# Allegro board parallella_layout.brd (continued)
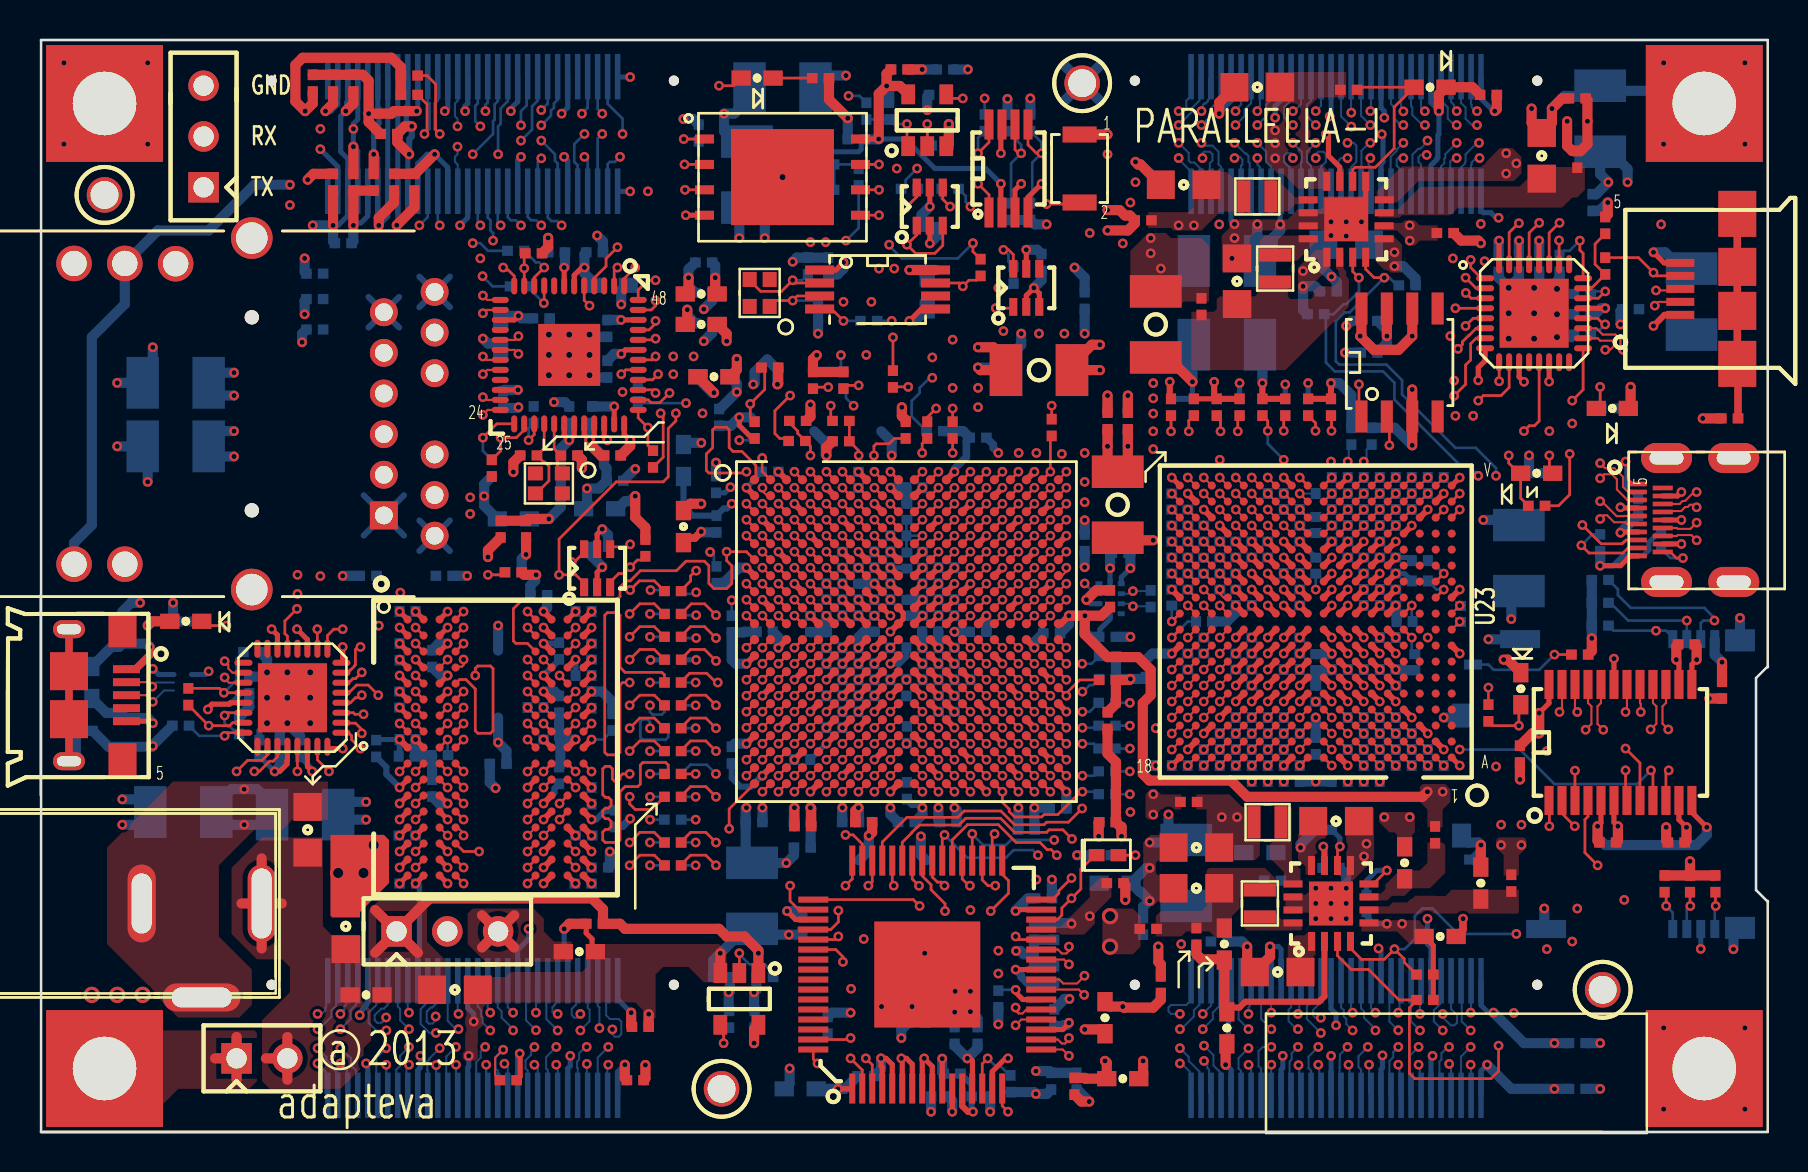
[diagram p0: board, top side]
## Footprints (pads in the part's own frame, mm; a bottom-side part is the same pattern mirrored in y, then rotated) (continued)
HDMI_MICRO19_6P5X7P5X2P9H_P4P
  rect 0.23x0.85 smd: 1(1.8,6.475) 3(1.4,6.475) 5(1,6.475) 7(0.6,6.475) 9(0.2,6.475) 11(-0.2,6.475) 13(-0.6,6.475) 15(-1,6.475) 17(-1.4,6.475) 19(-1.8,6.475)
  rect 0.23x1 smd: 2(1.6,5.25) 4(1.2,5.25) 6(0.8,5.25) 8(0.4,5.25) 10(0,5.25) 12(-0.4,5.25) 14(-0.8,5.25) 16(-1.2,5.25) 18(-1.6,5.25)
  oval 1.5x2.55 hole 0.65x1.7: GND1(3.1,1.7) GND2(-3.1,1.7) GND3(3.1,5.06) GND4(-3.1,5.06)
HDR_1X2_TH_VER
  rect 1.524x1.524 hole 1.016: 1(0,0)
  round 1.524 hole 1.016: 2(2.54,0)
HDR_1X3_TH_VER
  rect 1.524x1.524 hole 1.016: 1(0,0)
  round 1.524 hole 1.016: 2(2.54,0) 3(5.08,0)
IND2_2X2P5X1P2MMH
  rect 0.65x1.6 smd: 1(-0.675,0) 2(0.675,0)
LED_0603
  rect 0.762x0.965 smd: 1(0,0.8) 2(0,-0.8)
LQFP64_10SQX1P6MMH_P5MMP
  rect 1.5x0.3 smd: 1(-5.7,3.75) 2(-5.7,3.25) 3(-5.7,2.75) 4(-5.7,2.25) 5(-5.7,1.75) 6(-5.7,1.25) 7(-5.7,0.75) 8(-5.7,0.25) 9(-5.7,-0.25) 10(-5.7,-0.75) 11(-5.7,-1.25) 12(-5.7,-1.75) 13(-5.7,-2.25) 14(-5.7,-2.75) 15(-5.7,-3.25) 16(-5.7,-3.75) 33(5.7,-3.75) 34(5.7,-3.25) 35(5.7,-2.75) 36(5.7,-2.25) 37(5.7,-1.75) 38(5.7,-1.25) 39(5.7,-0.75) 40(5.7,-0.25) 41(5.7,0.25) 42(5.7,0.75) 43(5.7,1.25) 44(5.7,1.75) 45(5.7,2.25) 46(5.7,2.75) 47(5.7,3.25) 48(5.7,3.75)
  rect 0.3x1.5 smd: 17(-3.75,-5.7) 18(-3.25,-5.7) 19(-2.75,-5.7) 20(-2.25,-5.7) 21(-1.75,-5.7) 22(-1.25,-5.7) 23(-0.75,-5.7) 24(-0.25,-5.7) 25(0.25,-5.7) 26(0.75,-5.7) 27(1.25,-5.7) 28(1.75,-5.7) 29(2.25,-5.7) 30(2.75,-5.7) 31(3.25,-5.7) 32(3.75,-5.7) 49(3.75,5.7) 50(3.25,5.7) 51(2.75,5.7) 52(2.25,5.7) 53(1.75,5.7) 54(1.25,5.7) 55(0.75,5.7) 56(0.25,5.7) 57(-0.25,5.7) 58(-0.75,5.7) 59(-1.25,5.7) 60(-1.75,5.7) 61(-2.25,5.7) 62(-2.75,5.7) 63(-3.25,5.7) 64(-3.75,5.7)
  rect 5.3x5.3 smd: 65(0,0)
OSC4_1P6X2X7MMH
  rect 0.75x0.7 smd: 1(-0.675,-0.5) 2(0.675,-0.5) 3(0.675,0.5) 4(-0.675,0.5)
PTH125_200PAD
  rect 5.842x5.842 hole 3.175: 1(0,0)
QFN32_5SQXP9H_P5MMP_3P45PAD
  oval 0.9x0.3 smd: 1(-2.45,1.75) 2(-2.45,1.25) 3(-2.45,0.75) 4(-2.45,0.25) 5(-2.45,-0.25) 6(-2.45,-0.75) 7(-2.45,-1.25) 8(-2.45,-1.75) 17(2.45,-1.75) 18(2.45,-1.25) 19(2.45,-0.75) 20(2.45,-0.25) 21(2.45,0.25) 22(2.45,0.75) 23(2.45,1.25) 24(2.45,1.75)
  oval 0.3x0.9 smd: 9(-1.75,-2.45) 10(-1.25,-2.45) 11(-0.75,-2.45) 12(-0.25,-2.45) 13(0.25,-2.45) 14(0.75,-2.45) 15(1.25,-2.45) 16(1.75,-2.45) 25(1.75,2.45) 26(1.25,2.45) 27(0.75,2.45) 28(0.25,2.45) 29(-0.25,2.45) 30(-0.75,2.45) 31(-1.25,2.45) 32(-1.75,2.45)
  rect 3.45x3.45 smd: 33(0,0)
QFN48_7SQXP5PX1MMH_3P1PAD
  oval 0.85x0.3 smd: 1(-3.45,2.75) 2(-3.45,2.25) 3(-3.45,1.75) 4(-3.45,1.25) 5(-3.45,0.75) 6(-3.45,0.25) 7(-3.45,-0.25) 8(-3.45,-0.75) 9(-3.45,-1.25) 10(-3.45,-1.75) 11(-3.45,-2.25) 12(-3.45,-2.75) 25(3.45,-2.75) 26(3.45,-2.25) 27(3.45,-1.75) 28(3.45,-1.25) 29(3.45,-0.75) 30(3.45,-0.25) 31(3.45,0.25) 32(3.45,0.75) 33(3.45,1.25) 34(3.45,1.75) 35(3.45,2.25) 36(3.45,2.75)
  oval 0.3x0.85 smd: 13(-2.75,-3.45) 14(-2.25,-3.45) 15(-1.75,-3.45) 16(-1.25,-3.45) 17(-0.75,-3.45) 18(-0.25,-3.45) 19(0.25,-3.45) 20(0.75,-3.45) 21(1.25,-3.45) 22(1.75,-3.45) 23(2.25,-3.45) 24(2.75,-3.45) 37(2.75,3.45) 38(2.25,3.45) 39(1.75,3.45) 40(1.25,3.45) 41(0.75,3.45) 42(0.25,3.45) 43(-0.25,3.45) 44(-0.75,3.45) 45(-1.25,3.45) 46(-1.75,3.45) 47(-2.25,3.45) 48(-2.75,3.45)
  rect 3.1x3.1 smd: 49(0,0)
QFN-10_1P55X2P05XP6XP5MMP
  rect 0.25x0.35 smd: 1(-0.75,-0.56) 2(-0.25,-0.56) 3(0.25,-0.56) 4(0.75,-0.56) 6(0.75,0.56) 7(0.25,0.56) 8(-0.25,0.56) 9(-0.75,0.56)
  rect 0.35x0.25 smd: 5(0.81,0) 10(-0.81,0)
R0402
  rect 0.508x0.533 smd: 1(0,0.419) 2(0,-0.419)
R0402#2
  rect 0.5x0.55 smd: 1(-0.4,0) 2(0.4,0)
R0603
  rect 0.762x0.965 smd: 1(0,0.8) 2(0,-0.8)
RJ45_17PINS_2LED
  round 0.711 hole 3.251 unplated: (0.254,6.604) (9.906,6.604)
  rect 1.397x1.397 hole 0.889: 1(0,0)
  round 1.397 hole 0.889: 2(2.032,0) 3(4.064,0) 4(6.096,0) 5(8.128,0) 6(10.16,0) 7(-1.016,-2.54) 8(1.016,-2.54) 9(3.048,-2.54) 10(7.112,-2.54) 11(9.144,-2.54) 12(11.176,-2.54)
  round 1.778 hole 1.27: 13(-2.438,12.954) 14(-2.438,15.494) 15(12.586,10.414) 16(12.598,12.954) 17(12.598,15.494)
  round 2.083 hole 1.575: GND1(13.868,6.604) GND2(-3.708,6.604)
SC_70_6PSMT
  rect 0.406x0.889 smd: 1(-0.65,-0.953) 2(0,-0.953) 3(0.65,-0.953) 4(0.65,0.953) 5(0,0.953) 6(-0.65,0.953)
SDMICRO_8PIN_REV_15SQX1P51MMH
  rect 0.9x0.45 smd: 1(-7.25,-10.235) 2(-7.25,-10.935) 3(-7.25,-11.635) 4(-7.25,-12.335) 5(7.25,-12.335) 6(7.25,-11.635) 7(7.25,-10.935) 8(7.25,-10.235)
  rect 0.5x0.9 smd: 9(3.775,-0.25) 10(-5.975,-0.25)
  rect 1.1x1.5 smd: GND1(-7.187,-13.6) GND2(7.187,-13.6)
  rect 0.9x2 smd: GND3(7.25,-3.9) GND4(-7.25,-2.6)
  rect 1.2x0.95 smd: GND5(-3.425,0.325) GND6(2.575,0.325)
SOD-523
  rect 0.787x0.61 smd: 1(-0.546,0) 2(0.546,0)
SOIC8_33P94X4P93X1P63H_P65P
  rect 1.6x0.6 smd: 1(-2.7,1.905) 2(-2.7,0.635) 3(-2.7,-0.635) 4(-2.7,-1.905) 5(2.7,-1.905) 6(2.7,-0.635) 7(2.7,0.635) 8(2.7,1.905)
SOT_5PIN
  rect 0.686x0.991 smd: 1(-0.953,-1.295) 2(0,-1.295) 3(0.953,-1.295) 4(0.953,1.295) 5(-0.953,1.295)
SWITCH_2P5X4X1P6MMH
  rect 0.8x1.7 smd: 1(-1.7,0) 2(1.7,0)
TP55
  round 1.778 hole 1.397: 1(0,0)
TQFN16_4SQXP75H_P65P
  rect 0.35x0.95 smd: 1(0.975,1.9) 2(0.325,1.9) 3(-0.325,1.9) 4(-0.975,1.9) 9(-0.975,-1.9) 10(-0.325,-1.9) 11(0.325,-1.9) 12(0.975,-1.9)
  rect 0.95x0.35 smd: 5(-1.9,0.975) 6(-1.9,0.325) 7(-1.9,-0.325) 8(-1.9,-0.975) 13(1.9,-0.975) 14(1.9,-0.325) 15(1.9,0.325) 16(1.9,0.975)
  rect 2.2x2.2 smd: 17(0,0)
TSSOP8_3SQX1P1H_P65P
  rect 1.5x0.45 smd: 1(-2.2,0.975) 2(-2.2,0.325) 3(-2.2,-0.325) 4(-2.2,-0.975) 5(2.2,-0.975) 6(2.2,-0.325) 7(2.2,0.325) 8(2.2,0.975)
TSSOP8_3X4P4X1P2H_P65MMP
  rect 1.45x0.45 smd: 1(-2.9,0.975) 2(-2.9,0.325) 3(-2.9,-0.325) 4(-2.9,-0.975) 5(2.9,-0.975) 6(2.9,-0.325) 7(2.9,0.325) 8(2.9,0.975)
TSSOP24_6P4X7P9X1P2MMH_P65P
  rect 1.45x0.45 smd: 1(-2.9,3.575) 2(-2.9,2.925) 3(-2.9,2.275) 4(-2.9,1.625) 5(-2.9,0.975) 6(-2.9,0.325) 7(-2.9,-0.325) 8(-2.9,-0.975) 9(-2.9,-1.625) 10(-2.9,-2.275) 11(-2.9,-2.925) 12(-2.9,-3.575) 13(2.9,-3.575) 14(2.9,-2.925) 15(2.9,-2.275) 16(2.9,-1.625) 17(2.9,-0.975) 18(2.9,-0.325) 19(2.9,0.325) 20(2.9,0.975) 21(2.9,1.625) 22(2.9,2.275) 23(2.9,2.925) 24(2.9,3.575)
USB_MICRO5P_5X7X3P07MMH
  rect 1.4x0.4 smd: 1(2.85,1.3) 2(2.85,0.65) 3(2.85,0) 4(2.85,-0.65) 5(2.85,-1.3)
  rect 1.9x1.9 smd: 6(0,-1.1) 9(0,1.1)
  rect 1.9x2.3 smd: 7(0,-3.75) 8(0,3.75)
USB_MICROB_5P05X7P86X3P1MMH_R
  rect 1.6x1.4 smd: (-3.2,2.675) (3.2,2.675)
  rect 0.4x1.35 smd: 1(-1.3,2.875) 2(-0.65,2.875) 3(0,2.875) 4(0.65,2.875) 5(1.3,2.875)
  oval 0.9x1.6 hole 0.5x1.2: 6(-3.3,0) 7(3.3,0)
  rect 1.9x1.9 smd: 8(1.2,0) 9(-1.2,0)
VPDFN-8_6X8XP85H_1P27MMP
  rect 0.95x0.45 smd: 1(-3.9,1.905) 2(-3.9,0.635) 3(-3.9,-0.635) 4(-3.9,-1.905) 5(3.9,-1.905) 6(3.9,-0.635) 7(3.9,0.635) 8(3.9,1.905)
  rect 5.15x4.8 smd: 9(0,0)

## Nets
AVDD_18: C44.1 C45.1 C46.1 C47.1 C48.1 C49.1 C50.1 FB7.1 U9.15(AVDD18_1) U9.22(AVDD18_2) U9.32(AVDD18_3) U9.33(AVDD18_4)
AVDDC_18: C36.1 C37.1 C38.1 C39.1 FB5.1 U9.30(AVDDC_18) U9.31(AVDD_33)
GND: C7.1 C9.1 C10.1 C11.1 C12.2 C13.2 C14.2 C15.2 C17.2 C18.2 C19.2 C20.2 C21.2 C22.2 C23.2 C24.2 C25.2 C26.2 C27.2 C28.2 C31.1 C32.2 C33.2 C34.2 C35.2 C36.2 C37.2 C38.2 C39.2 C40.2 C41.2 C42.2 C43.2 C44.2 C45.2 C46.2 C47.2 C48.2 C49.2 C50.2 C51.2 C52.2 C53.2 C54.2 C55.2 C56.2 C57.2 C58.2 C59.2 C60.2 C61.2 C62.2 C63.2 C64.2 C65.2 C66.2 C67.2 C68.2 C69.2 C70.2 C71.2 C72.2 C73.2 C74.2 C75.2 C76.2 C77.2 C78.2 C79.2 C80.2 C81.2 C82.2 C83.1 C84.2 C85.2 C95.2 C96.1 C97.2 C98.2 C99.2 C100.2 C101.2 C102.2 C103.2 C104.2 C105.2 C106.2 C107.2 C108.2 C109.2 C110.2 C111.2 C112.2 C113.2 C126.2 C127.2 C128.2 C129.2 C130.2 C131.2 C132.2 C133.2 C134.2 C135.2 C136.2 C137.2 C138.2 C139.2 C140.2 C141.2 C142.2 C143.2 C144.2 C145.2 C149.2 C150.2 C151.2 C152.2 C153.2 C154.2 C155.2 C156.2 C157.2 C158.2 C159.2 C160.2 C162.2 C164.2 C165.2 C168.2 C169.2 C170.2 C171.2 C172.2 C173.2 C174.2 C175.2 C176.2 C177.2 C178.2 C179.2 C180.2 C181.2 C182.2 C183.2 C184.2 C185.2 C186.2 C187.2 C188.2 C189.2 C190.2 C191.2 C192.2 C193.2 C194.2 C195.2 C196.2 C197.2 C198.2 C199.2 C200.2 C201.2 C202.2 C203.2 C204.2 C205.2 C206.2 C207.2 C208.2 C209.2 C210.2 C211.2 C212.2 C213.2 C214.2 C215.2 C216.2 C217.2 C218.2 C219.2 C221.2 C223.2 C225.2 C227.2 C230.2 C231.2 C232.2 C233.2 C234.2 C235.2 C236.2 C237.2 C238.2 C239.2 C241.2 C243.2 C245.2 C247.2 C248.2 C250.2 C251.2 C252.2 C253.2 C254.2 C255.2 C256.2 C257.2 C258.2 C259.1 C260.2 C261.2 C262.2 C263.2 C264.2 C265.2 C266.2 C267.2 C268.2 C269.2 C270.2 C271.2 C272.2 C273.2 C274.2 C275.2 C276.2 C277.2 C278.2 C279.2 C281.2 C282.2 C283.2 C284.2 C285.2 C286.2 C287.2 C288.1 C289.2 C290.2 C291.2 C292.2 C293.2 C294.2 C295.2 C296.2 C297.1 C298.2 C307.2 CR4.1(C) CR6.1(C) CR8.1(C) FB2.1 J2.3 J3.6(VSS) J3.9(COMMON) J3.GND1(GNDTAB1) J3.GND2(GNDTAB2) J3.GND3(GNDTAB3) J3.GND4(GNDTAB4) J3.GND5(GNDTAB5) J3.GND6(GNDTAB6) J5.GND1(SHLD1) J5.GND2(SHLD2) J6.5(GND) J7.5(GND) J8.11 J8.12 J8.21 J8.22 J8.31 J8.32 J8.41 J8.42 J8.51 J8.52 J9.11 J9.12 J9.21 J9.22 J9.31 J9.32 J9.41 J9.42 J9.51 J9.52 J10.4(D2S) J10.7(D1S) J10.10(D0S) J10.13(CLKS) J10.16(DDC) J10.GND1(SHLD1) J10.GND2(SHLD2) J10.GND3(SHLD3) J10.GND4(SHLD4) J11.11 J11.12 J11.21 J11.22 J11.31 J11.32 J11.41 J11.42 J11.51 J11.52 J12.2(SLEEVE) J12.3(SHUNT) J13.11 J13.12 J13.21 J13.22 J13.31 J13.32 J13.35 J13.36 J13.41 J13.42 J13.51 J13.52 PTH2.1 PTH3.1 PTH4.1 R11.2 R24.2 R30.2 R40.1 R45.1 R47.2 R49.2 R50.1 R51.1 R63.2 R67.2 R70.2 R74.2 R76.1 R79.2 R80.1 R81.1 R90.2 R106.2 R111.2 R113.2 R116.2 R119.2 R120.2 R160.2 R165.2 R166.2 R167.2 R168.2 R169.2 R170.2 R171.2 R178.1 R219.1 R221.1 R223.1 R224.2 R237.2 R239.2 R240.2 R243.1 R245.2 R246.1 R273.2 R279.2 R281.2 R289.1 R291.1 R294.2 R299.1 R301.1 R327.2 SW2.1(A) TP12.1 TP14.1 U2.A8(GND1) U2.A18(GND2) U2.B1(GND3) U2.B11(GND4) U2.C4(GND5) U2.C9(GND26) U2.C14(GND6) U2.D17(GND8) U2.E10(GND9) U2.E20(GND10) U2.F3(GND11) U2.F7(GND12) U2.F10(RSVDGND) U2.F11(VCCBATT_0) U2.G10(GND13) U2.G12(GND14) U2.G16(GND15) U2.H7(GND16) U2.H9(GND17) U2.H11(GND18) U2.H13(GND19) U2.H19(GND20) U2.J2(GND21) U2.J8(GND22) U2.J12(GND23) U2.K5(GND24) U2.K7(GND25) U2.K11(GND7) U2.K13(GND27) U2.K15(GND28) U2.L8(GND29) U2.L12(GND30) U2.L18(GND31) U2.M1(GND32) U2.M7(GND33) U2.M9(DXP_0) U2.M10(DXN_0) U2.M11(GND34) U2.M13(GND35) U2.N4(GND36) U2.N8(GND37) U2.N10(GND38) U2.N12(GND39) U2.N14(GND40) U2.P7(GND41) U2.P9(GND42) U2.P11(GND43) U2.P13(GND44) U2.P17(GND45) U2.R8(GND46) U2.R12(GND47) U2.R20(GND48) U2.T3(GND49) U2.T7(GND50) U2.T13(GND51) U2.U6(GND52) U2.U16(GND53) U2.V9(GND54) U2.V19(GND55) U2.W2(GND56) U2.W12(GND57) U2.Y5(GND58) U2.Y15(GND59) U5.2(GND) U7.4(VSS) U7.9(EPAD) U9.35(EN_REG18) U9.36(EN_REG10) U9.49(EPAD) U11.2(GND) U12.33(GND) U13.3(GND) U14.2(GND) U14.3(A2) U17.33(GND) U20.A2(VSS1) U20.A3(VSSQ1) U20.A10(VSSQ2) U20.A11(VSS2) U20.B3(VSSQ3) U20.B10(VSSQ4) U20.C3(VSSQ5) U20.C10(VSSQ6) U20.D1(VSSQ7) U20.D12(VSSQ8) U20.E1(VSSQ9) U20.E12(VSSQ10) U20.F1(VSS3) U20.F12(VSS4) U20.J2(VSS5) U20.J11(VSS6) U20.M1(VSS7) U20.M12(VSS8) U20.N1(VSSQ11) U20.N12(VSSQ12) U20.P1(VSSQ13) U20.P12(VSSQ14) U20.R3(VSSQ15) U20.R10(VSSQ16) U20.T3(VSSQ17) U20.T10(VSSQ18) U20.U2(VSS9) U20.U3(VSSQ19) U20.U10(VSSQ20) U20.U11(VSS10) U23.A1(VSS1) U23.A8(VSS2) U23.A11(VSS3) U23.A18(VSS4) U23.B2(VSS5) U23.B17(VSS6) U23.C3(VSS7) U23.C16(VSS8) U23.D4(VSS9) U23.D15(VSS10) U23.E5(VSS11) U23.E6(VSS12) U23.E13(VSS13) U23.E14(VSS14) U23.F5(VSS15) U23.F6(VSS16) U23.F13(VSS17) U23.F14(VSS18) U23.G6(VSS19) U23.G8(VSS20) U23.G10(VSS21) U23.G12(VSS22) U23.G14(VSS23) U23.H1(VSS24) U23.H5(VSS25) U23.H7(VSS26) U23.H9(VSS27) U23.H11(VSS28) U23.H13(VSS29) U23.H18(VSS30) U23.J6(VSS31) U23.J8(VSS32) U23.J10(VSS33) U23.J12(VSS34) U23.J14(VSS35) U23.K5(VSS36) U23.K7(VSS37) U23.K9(VSS38) U23.K11(VSS39) U23.K13(VSS40) U23.L1(VSS41) U23.L6(VSS42) U23.L8(VSS43) U23.L10(VSS44) U23.L12(VSS45) U23.L14(VSS46) U23.L18(VSS47) U23.M5(VSS48) U23.M7(VSS49) U23.M9(VSS50) U23.M11(VSS51) U23.M13(VSS52) U23.N6(VSS53) U23.N8(VSS54) U23.N10(VSS55) U23.N12(VSS56) U23.N14(VSS57) U23.P5(VSS58) U23.P7(VSS59) U23.P9(VSS60) U23.P11(VSS61) U23.P13(VSS62) U23.R4(VSS63) U23.R15(VSS64) U23.T3(VSS65) U23.T16(VSS66) U23.U2(VSS67) U23.U17(VSS68) U23.V1(VSS69) U23.V8(VSS70) U23.V11(VSS71) U23.V18(VSS72) U26.4(MCLK) U26.5(I2S0) U26.6(I2S1) U26.7(I2S2) U26.8(I2S3) U26.9(SCLK) U26.10(LRCLK) U26.65(EPAD) U29.9(GNDLDO) U29.14(GNDDCD2) U29.15(GNDDCD1) U29.17(EPAD) U30.9(GNDLDO) U30.14(GNDDCD2) U30.15(GNDDCD1) U30.17(EPAD) U33.3(GND) U34.4(VSS) U34.7(TRSEL) U35.5(VSS) U36.3(GND) U37.6(GND1) U37.14(GND2) U37.19(GND3) U38.1(GND1) U38.7(GND2)
VCC_XADC: C16.2 FB1.2 U2.J9(VCCADC_0)
VDD_ADJ: C292.1 J13.53 J13.54 R332.2
VDD_DSP: C213.1 C215.1 C217.1 C218.1 C219.1 C221.1 C223.1 C225.1 C227.1 C277.1 J13.45 J13.46 R330.2 U23.H6(VDD1) U23.H8(VDD2) U23.H10(VDD3) U23.H12(VDD4) U23.J7(VDD5) U23.J9(VDD6) U23.J11(VDD7) U23.J13(VDD8) U23.K6(VDD9) U23.K8(VDD10) U23.K10(VDD11) U23.K12(VDD12) U23.L7(VDD13) U23.L9(VDD14) U23.L11(VDD15) U23.L13(VDD16) U23.M6(VDD17) U23.M8(VDD18) U23.M10(VDD19) U23.M12(VDD20) U23.N7(VDD21) U23.N9(VDD22) U23.N11(VDD23) U23.N13(VDD24)
VDD_GPIO: C126.1 C127.1 C128.1 C129.1 C130.1 C131.1 C132.1 C133.1 C134.1 C188.1 C189.1 C190.1 C191.1 C192.1 C193.1 C194.1 C239.1 C268.1 C269.1 C284.1 C285.1 C293.1 J11.1(01) J11.2(02) J13.55 J13.56 R18.1 R20.1 R22.2 R328.1 R333.2 U2.N19(VCCO_34_1) U2.R15(VCCO_34_2) U2.T8(VCCO_13_1) U2.T18(VCCO_34_3) U2.U11(VCCO_13_2) U2.V14(VCCO_34_4) U2.W7(VCCO_13_3) U2.W17(VCCO_34_5) U2.Y10(VCCO_13_4) U2.Y20(VCCO_34_6) U37.5(LS_OE) U37.12(CT_HPD) U37.24(VCCA)
1P0V: C149.1 C150.1 C151.1 C152.1 C153.1 C154.1 C155.1 C156.1 C157.1 C158.1 C159.1 C160.1 C168.1 C169.1 C170.1 C171.1 C179.1 C180.1 C181.1 C182.1 C183.1 C184.1 C185.1 C186.1 C187.1 C195.1 C214.1 C216.1 C275.1 C282.1 C283.1 FB4.1 J13.43 J13.44 R286.2 R300.2 TP13.1 U2.G7(VCCPINT_1) U2.G11(VCCBRAM_1) U2.G13(VCCINT_1) U2.H10(VCCBRAM_2) U2.H12(VCCINT_2) U2.J7(VCCPINT_2) U2.J13(VCCINT_3) U2.K12(VCCINT_4) U2.L7(VCCPINT_3) U2.L13(VCCINT_5) U2.M12(VCCINT_6) U2.N7(VCCPINT_4) U2.N13(VCCINT_7) U2.P8(VCCPINT_5) U2.P12(VCCINT_8) U2.R7(VCCPINT_6) U2.R13(VCCINT_9)
1P0V_FLTR_PHY: C32.1 C33.1 C34.1 C35.1 FB4.2 U9.6(DVDD1) U9.34(DVDD2)
1P8V: C9.2 C17.1 C18.1 C19.1 C20.1 C21.1 C22.1 C31.2 C55.1 C56.1 C60.1 C64.1 C65.1 C69.1 C162.1 C164.1 C165.1 C173.1 C174.1 C175.1 C176.1 C177.1 C178.1 C197.1 C198.1 C199.1 C200.1 C201.1 C202.1 C203.1 C204.1 C205.1 C206.1 C207.1 C208.1 C209.1 C210.1 C211.1 C212.1 C270.1 C271.1 C272.1 C273.1 C278.1 C281.1 C290.1 CR1.2(A) FB1.1 FB3.2 FB5.2 FB6.1 FB7.2 FB12.1 FB14.1 FB15.1 FB17.1 FB18.1 J8.1(01) J8.2(02) J9.1(01) J9.2(02) J13.49 J13.50 R61.2 R62.1 R156.2 R157.2 R158.2 R159.2 R161.2 R162.2 R163.2 R164.2 R179.2 R220.1 R222.1 R238.2 R241.2 R242.1 R244.2 R247.1 R287.2 R290.1 R292.1 R295.1 U2.A13(VCCO_MIO1_1) U2.B10(PS_SRST_B) U2.B16(VCCO_MIO1_2) U2.D12(VCCO_MIO1_3) U2.E15(VCCO_MIO1_4) U2.F8(VCCPAUX_2) U2.G9(VCCPAUX_1) U2.H8(VCCPAUX_3) U2.J11(VCCAUX_1) U2.K8(VCCPAUX_4) U2.L11(VCCAUX_2) U2.M8(VCCPAUX_5) U2.N9(VCCAUX_3) U2.N11(VCCAUX_6) U2.P10(VCCAUX_4) U2.R9(VCCAUX_5) U11.5(VCC) U12.8(REFSEL[0]) U12.11(REFSEL[1]) U12.14(REFSEL[2]) U12.28(VDD18_1) U12.30(VDD18_2) U12.32(VDDIO) U14.5(VCC) U17.8(REFSEL[0]) U17.11(REFSEL[1]) U17.14(REFSEL[2]) U17.28(VDD18_1) U17.30(VDD18_2) U17.32(VDDIO) U23.G5(DVDD1) U23.G7(DVDD2) U23.G9(DVDD3) U23.G11(DVDD4) U23.G13(DVDD5) U23.H14(DVDD6) U23.J5(DVDD7) U23.K14(DVDD8) U23.L5(DVDD9) U23.M14(DVDD10) U23.N5(DVDD11) U23.P6(DVDD12) U23.P8(DVDD13) U23.P10(DVDD14) U23.P12(DVDD15) U23.P14(DVDD16) U34.3(V2IN)
1P8V_FLTR_PHY: C40.1 C41.1 C42.1 C43.1 FB6.2 U9.7(VDDO18_1) U9.43(VDDO18_2) U9.46(VDDO18_3)
1P35V: C70.1 C71.1 C72.1 C73.1 C74.1 C75.1 C76.1 C77.1 C78.1 C79.1 C80.1 C81.1 C97.1 C98.1 C99.1 C100.1 C101.1 C102.1 C103.1 C104.1 C105.1 C106.1 C107.1 C108.1 C109.1 C110.1 C111.1 C112.1 C113.1 C276.1 J13.47 J13.48 R66.1 R69.1 R112.2 R298.1 R331.2 U2.A3(VCCO_DDR_1) U2.D2(VCCO_DDR_2) U2.E5(VCCO_DDR_3) U2.G1(VCCO_DDR_4) U2.H4(VCCO_DDR_5) U2.L3(VCCO_DDR_6) U2.P2(VCCO_DDR_7) U2.R5(VCCO_DDR_8) U2.U1(VCCO_DDR_9) U2.V4(VCCO_DDR_10) U20.A1(VDD1) U20.A12(VDD2) U20.B1(VDDQ1) U20.B12(VDDQ2) U20.C1(VDDQ3) U20.C12(VDDQ4) U20.D2(VDDQ5) U20.D11(VDDQ6) U20.E3(VDDQ7) U20.E10(VDDQ8) U20.F3(VDDQ9) U20.F10(VDDQ10) U20.G1(VDD3) U20.G12(VDD4) U20.L1(VDD5) U20.L12(VDD6) U20.M3(VDDQ11) U20.M10(VDDQ12) U20.N3(VDDQ13) U20.N10(VDDQ14) U20.P2(VDDQ15) U20.P11(VDDQ16) U20.R1(VDDQ17) U20.R12(VDDQ18) U20.T1(VDDQ19) U20.T12(VDDQ20) U20.U1(VDD7) U20.U12(VDD8)
2P5V: C135.1 C136.1 C137.1 C138.1 C139.1 C140.1 C141.1 C142.1 C143.1 C294.1 C297.2 C298.1 J13.57 J13.58 R329.2 U2.C19(VCCO_35_1) U2.F18(VCCO_35_2) U2.H14(VCCO_35_3) U2.J17(VCCO_35_4) U2.K20(VCCO_35_5) U2.M16(VCCO_35_6) U38.5(VCC) U38.10(VDD)
3P3V: C7.2 C10.2 C11.2 C12.1 C13.1 C14.1 C15.1 C24.1 C53.1 C259.2 C286.1 C288.2 C291.1 C295.1 FB16.2 J3.4(VDD) J5.14(R_AN) J5.16(L_AN) J13.59 J13.60 R3.2 R4.2 R8.2 R9.2 R10.2 R12.2 R28.1 R33.2 R34.2 R35.2 R36.2 R37.2 R38.2 R39.2 R43.1 R46.2 R48.2 R52.1 R89.1 R225.1 R293.2 R326.2 U2.B6(VCCO_MIO0_1) U2.D7(VCCO_MIO0_2) U2.K6(VCCO_0) U2.M6(CFGBVS_0) U2.N6(RSVDVCC1) U2.R6(RSVDVCC2) U2.T6(RSVDVCC3) U5.5(VCC) U7.8(VCC) U33.5(VCC) U34.2(VCC) U35.1(VDD) U35.8(VDDO) U36.5(VCC)
5P0V: C238.1 F1.2 J14.1 R273.1 U36.1(O\E\)
5P0V_IN: C236.1 C237.1 F1.1 J12.1(CENTER) J15.2
BOARD_RESET_L: R295.2 U9.12(RESET_N) U12.27(RESETB) U17.27(RESETB) U33.4(Y)
DDC_SCL: J10.17(SCL) R19.1 U26.33(DDCSCL)
DDC_SDA: J10.18(SDA) R21.1 U26.34(DDCSDA)
DDR3_A0: R316.1 U2.N2(PS_DDR_A0)
DDR3_A1: R315.1 U2.K2(PS_DDR_A1)
DDR3_A2: R314.1 U2.M3(PS_DDR_A2)
DDR3_A3: R313.1 U2.K3(PS_DDR_A3)
DDR3_A4: R312.1 U2.M4(PS_DDR_A4)
DDR3_A5: R311.1 U2.L1(PS_DDR_A5)
DDR3_A6: R310.1 U2.L4(PS_DDR_A6)
DDR3_A7: R309.1 U2.K4(PS_DDR_A7)
DDR3_A8: R308.1 U2.K1(PS_DDR_A8)
DDR3_A9: R307.1 U2.J4(PS_DDR_A9)
DDR3_A10: R306.1 U2.F5(PS_DDR_A10)
DDR3_A11: R305.1 U2.G4(PS_DDR_A11)
DDR3_A12: R304.1 U2.E4(PS_DDR_A12)
DDR3_A13: R303.1 U2.D4(PS_DDR_A13)
DDR3_A14: R302.1 U2.F4(PS_DDR_A14)
DDR3_BA0: R319.1 U2.L5(PS_DDR_BA0)
DDR3_BA1: R318.1 U2.R4(PS_DDR_BA1)
DDR3_BA2: R317.1 U2.J5(PS_DDR_BA2)
DDR3_CAS_L: R323.1 U2.P5(PS_DDR_CAS_B)
DDR3_CKE: R325.1 U2.N3(PS_DDR_CKE)
DDR3_CS_L: R321.1 U2.N1(PS_DDR_CS_B)
DDR3_ODT: R320.1 U2.N5(PS_DDR_ODT)
DDR3_RAS_L: R324.1 U2.P4(PS_DDR_RAS_B)
DDR3_WE_L: R322.1 U2.M5(PS_DDR_WE_B)
DDR_A0: R316.2 U20.K4(A0)
DDR_A1: R315.2 U20.J9(A1)
DDR_A2: R314.2 U20.K3(A2)
DDR_A3: R313.2 U20.L4(A3)
DDR_A4: R312.2 U20.K9(A4)
DDR_A5: R311.2 U20.L3(A5)
DDR_A6: R310.2 U20.K10(A6)
DDR_A7: R309.2 U20.L2(A7)
DDR_A8: R308.2 U20.L9(A8)
DDR_A9: R307.2 U20.K2(A9)
DDR_A10: R306.2 U20.H9(A10_AP)
DDR_A11: R305.2 U20.L10(A11)
DDR_A12: R304.2 U20.K11(A12_BCN)
DDR_A13: R303.2 U20.L11(A13)
DDR_A14: R302.2 U20.H10(A14)
DDR_BA0: R319.2 U20.K1(BA0)
DDR_BA1: R318.2 U20.K12(BA1)
DDR_BA2: R317.2 U20.H2(BA2)
DDR_CAS_L: R323.2 U20.G3(CAS_L)
DDR_CKE: R325.2 U20.G11(CKE)
DDR_CLK_N: R115.2 U2.M2(PS_DDR_CKN) U20.G10(CK_L)
DDR_CLK_P: R115.1 U2.L2(PS_DDR_CKP) U20.G9(CK)
DDR_CS_L: R321.2 U20.H4(CS_L)
DDR_DM0: U2.A1(PS_DDR_DM0) U20.C4(DM0)
DDR_DM1: U2.F1(PS_DDR_DM1) U20.C9(DM1)
DDR_DM2: U2.T1(PS_DDR_DM2) U20.R9(DM2)
DDR_DM3: U2.Y1(PS_DDR_DM3) U20.R4(DM3)
DDR_DQ0: U2.C3(PS_DDR_DQ0) U20.B2(DQ0)
DDR_DQ1: U2.B3(PS_DDR_DQ1) U20.A4(DQ1)
DDR_DQ2: U2.A2(PS_DDR_DQ2) U20.C2(DQ2)
DDR_DQ3: U2.A4(PS_DDR_DQ3) U20.B4(DQ3)
DDR_DQ4: U2.D3(PS_DDR_DQ4) U20.E2(DQ4)
DDR_DQ5: U2.D1(PS_DDR_DQ5) U20.E4(DQ5)
DDR_DQ6: U2.C1(PS_DDR_DQ6) U20.F2(DQ6)
DDR_DQ7: U2.E1(PS_DDR_DQ7) U20.F4(DQ7)
DDR_DQ8: U2.E2(PS_DDR_DQ8) U20.B11(DQ8)
DDR_DQ9: U2.E3(PS_DDR_DQ9) U20.A9(DQ9)
DDR_DQ10: U2.G3(PS_DDR_DQ10) U20.C11(DQ10)
DDR_DQ11: U2.H3(PS_DDR_DQ11) U20.B9(DQ11)
DDR_DQ12: U2.J3(PS_DDR_DQ12) U20.E11(DQ12)
DDR_DQ13: U2.H2(PS_DDR_DQ13) U20.E9(DQ13)
DDR_DQ14: U2.H1(PS_DDR_DQ14) U20.F11(DQ14)
DDR_DQ15: U2.J1(PS_DDR_DQ15) U20.F9(DQ15)
DDR_DQ16: U2.P1(PS_DDR_DQ16) U20.M11(DQ16)
DDR_DQ17: U2.P3(PS_DDR_DQ17) U20.M9(DQ17)
DDR_DQ18: U2.R3(PS_DDR_DQ18) U20.N11(DQ18)
DDR_DQ19: U2.R1(PS_DDR_DQ19) U20.N9(DQ19)
DDR_DQ20: U2.T4(PS_DDR_DQ20) U20.R11(DQ20)
DDR_DQ21: U2.U4(PS_DDR_DQ21) U20.T9(DQ21)
DDR_DQ22: U2.U2(PS_DDR_DQ22) U20.T11(DQ22)
DDR_DQ23: U2.U3(PS_DDR_DQ23) U20.U9(DQ23)
DDR_DQ24: U2.V1(PS_DDR_DQ24) U20.M2(DQ24)
DDR_DQ25: U2.Y3(PS_DDR_DQ25) U20.M4(DQ25)
DDR_DQ26: U2.W1(PS_DDR_DQ26) U20.N2(DQ26)
DDR_DQ27: U2.Y4(PS_DDR_DQ27) U20.N4(DQ27)
DDR_DQ28: U2.Y2(PS_DDR_DQ28) U20.R2(DQ28)
DDR_DQ29: U2.W3(PS_DDR_DQ29) U20.T4(DQ29)
DDR_DQ30: U2.V2(PS_DDR_DQ30) U20.T2(DQ30)
DDR_DQ31: U2.V3(PS_DDR_DQ31) U20.U4(DQ31)
DDR_DQS_N0: U2.B2(PS_DDR_DQS_N0) U20.D4(DQS0_L)
DDR_DQS_N1: U2.F2(PS_DDR_DQS_N1) U20.D9(DQS1_L)
DDR_DQS_N2: U2.T2(PS_DDR_DQS_N2) U20.P9(DQS2_L)
DDR_DQS_N3: U2.W4(PS_DDR_DQS_N3) U20.P4(DQS3_L)
DDR_DQS_P0: U2.C2(PS_DDR_DQS_P0) U20.D3(DQS0)
DDR_DQS_P1: U2.G2(PS_DDR_DQS_P1) U20.D10(DQS1)
DDR_DQS_P2: U2.R2(PS_DDR_DQS_P2) U20.P10(DQS2)
DDR_DQS_P3: U2.W5(PS_DDR_DQS_P3) U20.P3(DQS3)
DDR_ODT: R320.2 U20.H3(ODT)
DDR_RAS_L: R324.2 U20.G4(RAS_L)
DDR_RST_L: R111.1 U2.B4(PS_DDR_DRST_B) U20.H1(RESET_L)
DDR_VREF: C82.1 C83.2 R66.2 R67.1 U2.H6(PS_DDR_VREF0) U2.P6(PS_DDR_VREF1)
DDR_WE_L: R322.2 U20.J4(WE_L)
DSP_FLAG: J13.23 R1.1 R179.1 U23.E12(FLAG)
DSP_MVDD: U23.F8(MVDD)
DSP_MVSS: U23.F7(MVSS)
DSP_RESET_L: R178.2 U2.G14(IO_0_35) U23.F11(RESET_N)
DSP_XID0: J13.13 R156.1 R160.1 U23.F12(CSBI_XID0)
DSP_XID1: J13.15 R157.1 R165.1 U23.E8(SCLKI_XID1)
DSP_XID2: J13.17 R158.1 R166.1 U23.F10(SDI_XID2)
DSP_XID3: J13.19 R159.1 R167.1 U23.E7(XID3)
DSP_YID0: J13.14 R161.1 R168.1 U23.E10(CSBO_YID0)
DSP_YID1: J13.16 R162.1 R169.1 U23.E11(SCLKO_YID1)
DSP_YID2: J13.18 R163.1 R170.1 U23.E9(SDO_YID2)
DSP_YID3: J13.20 R164.1 R171.1 U23.F9(YID3)
ETH_MDC: R60.2 U9.4(MDC)
ETH_MDIO: R61.1 U2.C11(PS_MIO53) U9.5(MDIO)
ETH_RXCLK: R71.1 U2.B17(PS_MIO22)
ETH_RXCTL: R297.1 U2.D13(PS_MIO27)
ETH_RXD0: U2.D11(PS_MIO23) U9.38(RXD0)
ETH_RXD1: U2.A16(PS_MIO24) U9.39(RXD1)
ETH_RXD2: U2.F15(PS_MIO25) U9.41(RXD2)
ETH_RXD3: U2.A15(PS_MIO26) U9.42(RXD3)
ETH_TXCLK: R59.2 U9.47(TX_CLK)
ETH_TXCTL: R296.2 U9.2(TX_CTRL)
ETH_TXD0: U2.E14(PS_MIO17) U9.44(TXD0)
ETH_TXD1: U2.B18(PS_MIO18) U9.45(TXD1)
ETH_TXD2: U2.D10(PS_MIO19) U9.48(TXD2)
ETH_TXD3: U2.A17(PS_MIO20) U9.1(TXD3)
ETH_XTAL_IN: C62.1 U9.29(XTAL_IN) Y2.1
ETH_XTAL_OUT: C85.1 U9.28(XTAL_OUT) Y2.3
GPIO0_N: J11.3(03) U2.U17(IO_L9N_T1_DQS_34)
GPIO0_P: J11.5(05) U2.T16(IO_L9P_T1_DQS_34)
GPIO1_N: J11.4(04) U2.W16(IO_L18N_T2_34)
GPIO1_P: J11.6(06) U2.V16(IO_L18P_T2_34)
GPIO2_N: J11.7(07) U2.P16(IO_L24N_T3_34)
GPIO2_P: J11.9(09) U2.P15(IO_L24P_T3_34)
GPIO3_N: J11.8(08) U2.U19(IO_L12N_T1_MRCC_34)
GPIO3_P: J11.10 U2.U18(IO_L12P_T1_MRCC_34)
GPIO4_N: J11.13 U2.R14(IO_L6N_T0_VREF_34)
GPIO4_P: J11.15 U2.P14(IO_L6P_T0_34)
GPIO5_N: J11.14 U2.T15(IO_L5N_T0_34)
GPIO5_P: J11.16 U2.T14(IO_L5P_T0_34)
GPIO6_N: J11.17 U2.U15(IO_L11N_T1_SRCC_34)
GPIO6_P: J11.19 U2.U14(IO_L11P_T1_SRCC_34)
GPIO7_N: J11.18 U2.Y14(IO_L8N_T1_34)
GPIO7_P: J11.20 U2.W14(IO_L8P_T1_34)
GPIO8_N: J11.23 U2.V13(IO_L3N_T0_DQS_34)
GPIO8_P: J11.25 R223.2 U2.U13(IO_L3P_T0_DQS_PUDC_B_34)
GPIO9_N: J11.24 U2.W13(IO_L4N_T0_34)
GPIO9_P: J11.26 U2.V12(IO_L4P_T0_34)
GPIO10_N: J11.27 U2.U12(IO_L2N_T0_34)
GPIO10_P: J11.29 U2.T12(IO_L2P_T0_34)
GPIO11_N: J11.28 U2.T10(IO_L1N_T0_34)
GPIO11_P: J11.30 U2.T11(IO_L1P_T0_34)
GPIO12_N: J11.33 U2.Y13(IO_L20N_T3_13)
GPIO12_P: J11.35 U2.Y12(IO_L20P_T3_13)
GPIO13_N: J11.34 U2.Y11(IO_L18N_T2_13)
GPIO13_P: J11.36 U2.W11(IO_L18P_T2_13)
GPIO14_N: J11.37 U2.V10(IO_L21N_T3_DQS_13)
GPIO14_P: J11.39 U2.V11(IO_L21P_T3_DQS_13)
GPIO15_N: J11.38 U2.U10(IO_L12N_T1_MRCC_13)
GPIO15_P: J11.40 U2.T9(IO_L12P_T1_MRCC_13)
GPIO16_N: J11.43 U2.W9(IO_L16N_T2_13)
GPIO16_P: J11.45 U2.W10(IO_L16P_T2_13)
GPIO17_N: J11.44 U2.U8(IO_L17N_T2_13)
GPIO17_P: J11.46 U2.U9(IO_L17P_T2_13)
GPIO18_N: J11.47 U2.W8(IO_L15N_T2_DQS_13)
GPIO18_P: J11.49 U2.V8(IO_L15P_T2_DQS_13)
GPIO19_N: J11.48 U2.Y8(IO_L14N_T2_SRCC_13)
GPIO19_P: J11.50 U2.Y9(IO_L14P_T2_SRCC_13)
GPIO20_N: J11.53 U2.Y6(IO_L13N_T2_MRCC_13)
GPIO20_P: J11.55 U2.Y7(IO_L13P_T2_MRCC_13)
GPIO21_N: J11.54 U2.V7(IO_L11N_T1_SRCC_13)
GPIO21_P: J11.56 U2.U7(IO_L11P_T1_SRCC_13)
GPIO22_N: J11.57 U2.W6(IO_L22N_T3_13)
GPIO22_P: J11.59 U2.V6(IO_L22P_T3_13)
GPIO23_N: J11.58 U2.U5(IO_L19N_T3_VREF_13)
GPIO23_P: J11.60 U2.T5(IO_L19P_T3_13)
HDMI_5V: C289.1 J10.19(5V0) R19.2 R21.2 U37.13(5V_OUT)
HDMI_24M_CES_CLK: R114.2 U26.32(CEC_CLK)
HDMI_AVDD: C144.1 C145.1 C233.1 C234.1 C235.1 FB15.2 U26.15(AVDD1) U26.19(AVDD2) U26.25(AVDD3)
HDMI_BGVDD: C263.1 C266.1 C267.1 FB17.2 U26.13(BGVDD)
HDMI_CEC: D1.1(CATHODE) U26.30(CEC) U37.1(CEC_A)
HDMI_CEC_B: J10.15(CEC) U37.7(CEC_B)
HDMI_CLK: R41.2 U26.53(CLK)
HDMI_CLK_25065215: R56.2 U11.1(A1) U11.3(A2) U14.1(A1)
HDMI_D8: U2.Y18(IO_L17P_T2_34) U26.54(D8)
HDMI_D9: U2.W18(IO_L22P_T3_34) U26.52(D9)
HDMI_D10: U2.V18(IO_L21N_T3_DQS_34) U26.50(D10)
HDMI_D11: U2.V15(IO_L10P_T1_34) U26.49(D11)
HDMI_D12: U2.R18(IO_L20N_T3_34) U26.48(D12)
HDMI_D13: U2.P18(IO_L23N_T3_34) U26.47(D13)
HDMI_D14: U2.Y19(IO_L17N_T2_34) U26.46(D14)
HDMI_D15: U2.W19(IO_L22N_T3_34) U26.45(D15)
HDMI_D16: U2.W15(IO_L10N_T1_34) U26.44(D16)
HDMI_D17: U2.T19(IO_25_34) U26.43(D17)
HDMI_D18: U2.R19(IO_0_34) U26.42(D18)
HDMI_D19: U2.P19(IO_L13N_T2_MRCC_34) U26.41(D19)
HDMI_D20: U2.W20(IO_L16N_T2_34) U26.40(D20)
HDMI_D21: U2.V20(IO_L16P_T2_34) U26.39(D21)
HDMI_D22: U2.U20(IO_L15N_T2_DQS_34) U26.38(D22)
HDMI_D23: U2.T20(IO_L15P_T2_DQS_34) U26.37(D23)
HDMI_DE: R94.2 U26.63(DE)
HDMI_DVDD: C58.1 C67.1 C230.1 C231.1 C232.1 FB14.2 U26.1(DVDD1) U26.11(DVDD2) U26.31(DVDD3) U26.51(DVDD4)
HDMI_HPD: U26.16(HPD) U37.4(HPD_A)
HDMI_HPD_B: J10.1(HPD) R24.1 U37.10(HPD_B)
HDMI_HSYNC: R44.2 U26.64(HSYNC)
HDMI_INT: R22.1 U2.P20(IO_L14N_T2_SRCC_34) U26.28(INT)
HDMI_PVDD: C264.1 C265.1 C296.1 FB18.2 U26.12(PVDD)
HDMI_TX0_N: J10.11(D0-) U26.20(TX0-) U37.17(D0-)
HDMI_TX0_P: J10.9(D0+) U26.21(TX0+) U37.18(D0+)
HDMI_TX1_N: J10.8(D1-) U26.23(TX1-) U37.20(D1-)
HDMI_TX1_P: J10.6(D1+) U26.24(TX1+) U37.21(D1+)
HDMI_TX2_N: J10.5(D2-) U26.26(TX2-) U37.22(D2-)
HDMI_TX2_P: J10.3(D2+) U26.27(TX2+) U37.23(D2+)
HDMI_TXC_N: J10.14(CLK-) U26.17(TXC-) U37.15(CLK-)
HDMI_TXC_P: J10.12(CLK+) U26.18(TXC+) U37.16(CLK+)
HDMI_VSYNC: R42.2 U26.2(VSYNC)
I2C_SCL: J13.3(03) R284.2 U26.35(SCL) U30.3(SCLK) U37.8(SCL_B)
I2C_SDA: J13.4(04) R285.2 U26.36(SDA) U30.4(SDAT) U37.9(SDA_B)
JTAG_BOOT_EN: J13.29 R97.2
JTAG_TCK: J13.39 R11.1 U2.F9(TCK_0)
JTAG_TDI: J13.38 R9.1 U2.G6(TDI_0)
JTAG_TDO: J13.40 R10.1 U2.F6(TDO_0)
JTAG_TMS: J13.37 R12.1 U2.J6(TMS_0)
MIO_VREF_501: C23.1 R62.2 R63.1 U2.E11(PS_MIO_VREF_501)
P0_USB_24M_REFCLK: R99.2 U12.26(REFCLK)
P0_USB_CLK: U2.A11(PS_MIO36) U12.1(CLKOUT)
P0_USB_CPEN: U12.17(CPEN) U13.1(EN)
P0_USB_D0: U2.A14(PS_MIO32) U12.3(DATA[0])
P0_USB_D1: U2.D15(PS_MIO33) U12.4(DATA[1])
P0_USB_D2: U2.A12(PS_MIO34) U12.5(DATA[2])
P0_USB_D3: U2.F12(PS_MIO35) U12.6(DATA[3])
P0_USB_D4: U2.C16(PS_MIO28) U12.7(DATA[4])
P0_USB_D5: U2.A10(PS_MIO37) U12.9(DATA[5])
P0_USB_D6: U2.E13(PS_MIO38) U12.10(DATA[6])
P0_USB_D7: U2.C18(PS_MIO39) U12.13(DATA[7])
P0_USB_DIR: U2.C13(PS_MIO29) U12.31(DIR)
P0_USB_DN: J6.2(D_N) U12.19(DM)
P0_USB_DP: J6.3(D_P) U12.18(DP)
P0_USB_FLAG: CR5.1(C) R335.1 U13.2(FLAG)
P0_USB_ID: J6.4(ID) R85.2
P0_USB_NXT: U2.E16(PS_MIO31) U12.2(NXT)
P0_USB_STP: U2.C15(PS_MIO30) U12.29(STP)
P0_VBUS: C51.1 C84.1 J6.1(VBUS) R84.2 R86.2 U13.6(OUT1) U13.8(OUT2)
P1_USB_24M_REFCLK: R110.2 U17.26(REFCLK)
P1_USB_CLK: U2.B12(PS_MIO48) U17.1(CLKOUT)
P1_USB_D0: U2.F13(PS_MIO44) U17.3(DATA[0])
P1_USB_D1: U2.B15(PS_MIO45) U17.4(DATA[1])
P1_USB_D2: U2.D16(PS_MIO46) U17.5(DATA[2])
P1_USB_D3: U2.B14(PS_MIO47) U17.6(DATA[3])
P1_USB_D4: U2.D14(PS_MIO40) U17.7(DATA[4])
P1_USB_D5: U2.C12(PS_MIO49) U17.9(DATA[5])
P1_USB_D6: U2.B13(PS_MIO50) U17.10(DATA[6])
P1_USB_D7: U2.B9(PS_MIO51) U17.13(DATA[7])
P1_USB_DIR: U2.C17(PS_MIO41) U17.31(DIR)
P1_USB_DN: J7.2(D_N) U17.19(DM)
P1_USB_DP: J7.3(D_P) U17.18(DP)
P1_USB_NXT: U2.A9(PS_MIO43) U17.2(NXT)
P1_USB_STP: U2.E12(PS_MIO42) U17.29(STP)
PB_RESET_L: R95.1 SW2.2(B) U34.1(MR)
PHY_ACTIVITY: J5.13(R_CA) R73.2
PHY_CNFG: R74.1 U9.11(CONFIG)
PHY_LED0: R72.1 U9.10(LED_0)
PHY_LED1: R73.1 U9.9(LED_1)
PHY_LINK: J5.17(L_CA2) R72.2
PHY_MDI0N: J5.10(TRD1-) U9.23(MDI0_N)
PHY_MDI0P: J5.11(TRD1+) U9.24(MDI0_P)
PHY_MDI1N: J5.5(TRD2-) U9.19(MDI1_N)
PHY_MDI1P: J5.4(TRD2+) U9.20(MDI1_P)
PHY_MDI2N: J5.2(TRD3-) U9.17(MDI2_N)
PHY_MDI2P: J5.3(TRD3+) U9.18(MDI2_P)
PHY_MDI3N: J5.9(TRD4-) U9.13(MDI3_N)
PHY_MDI3P: J5.8(TRD4+) U9.14(MDI3_P)